# Altium PCB Switchboard V1.PcbDoc (part 2 of 2)
Units mil, origin at the board's own origin, x right, y up, seen from the top; angles counter-clockwise.
Board outline 3858.27 x 4800.09 mil, 2 copper layers (Top Layer, Bottom Layer), stack 62.8 mil thick; 100 components, 91 nets, 549 pads, 175 vias.
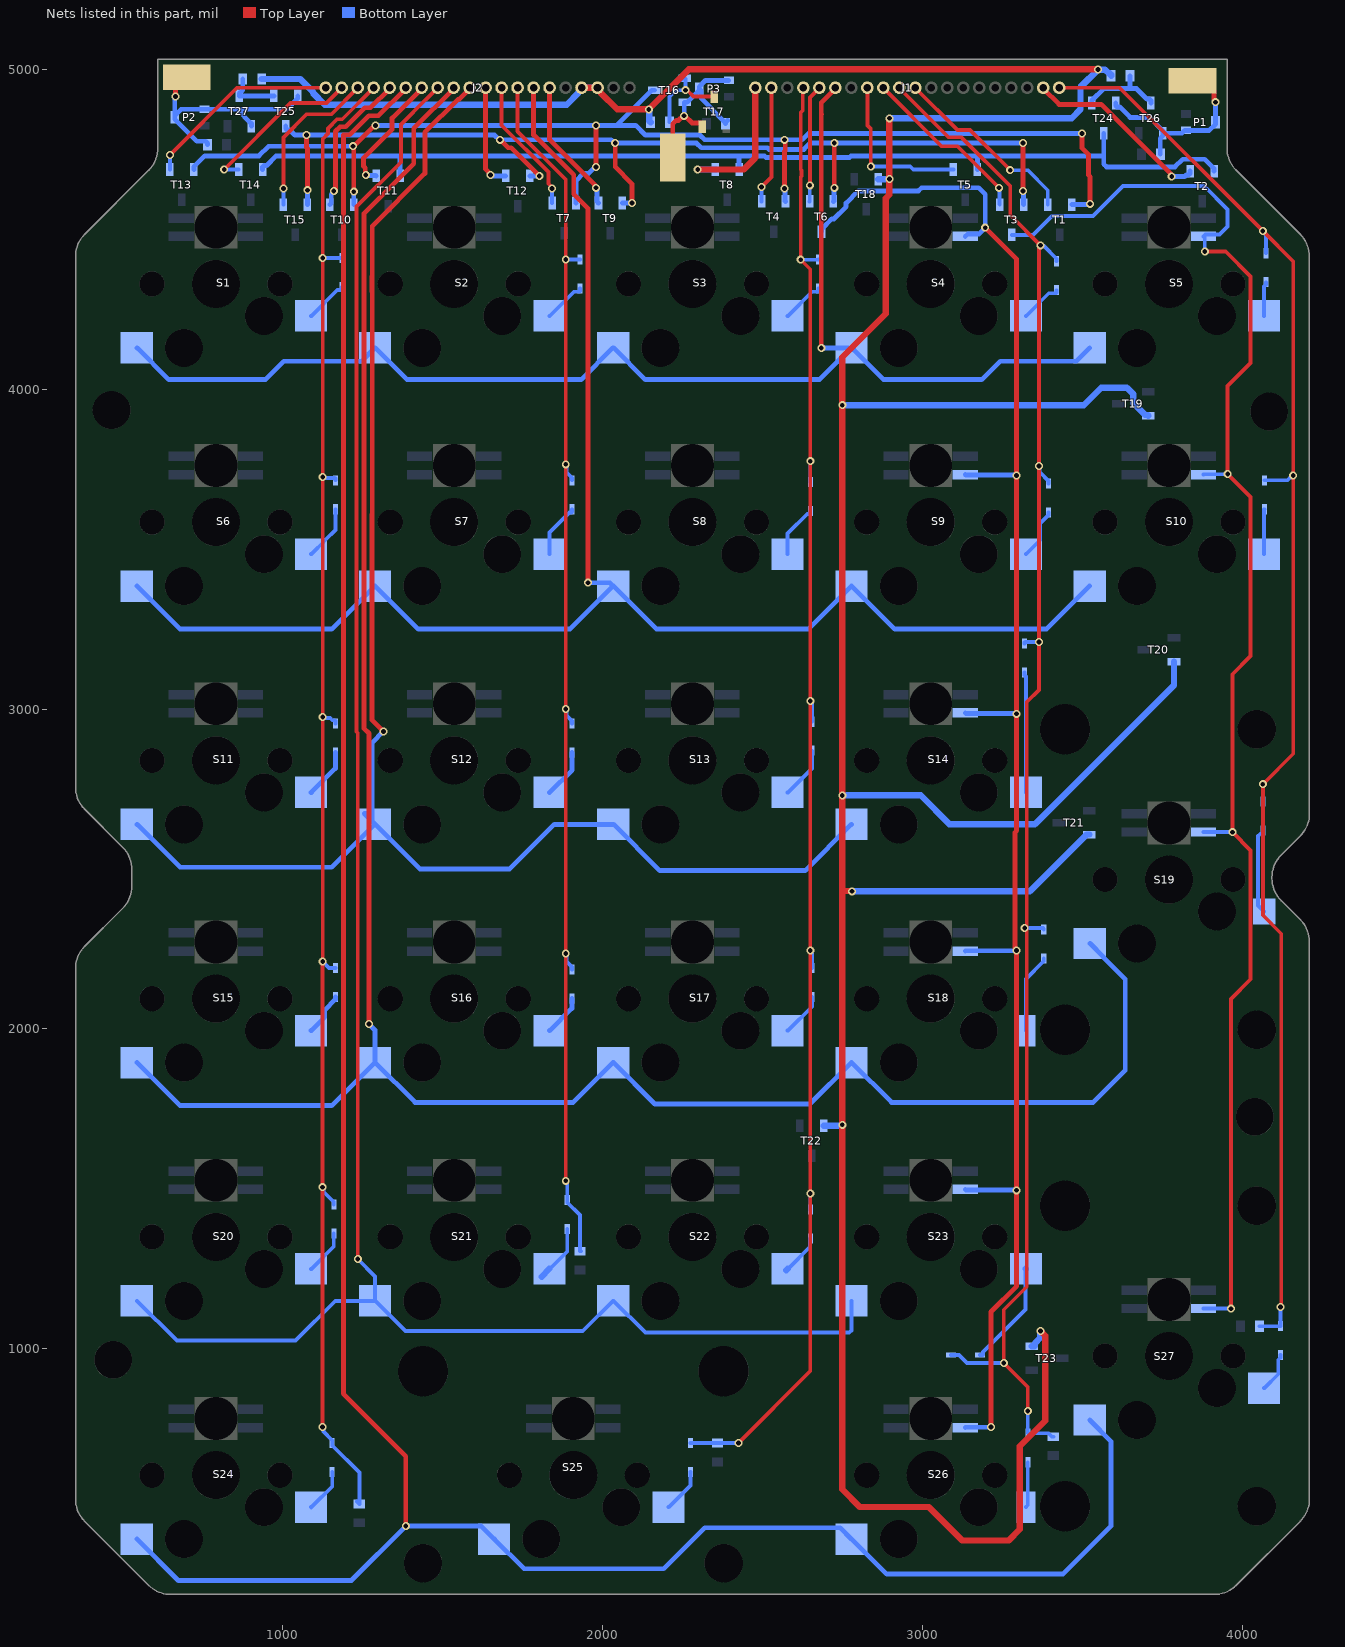
[diagram p2: the nets of this part, all layers, seen from the top]

## Via types
v1: diameter 25, hole 15, Top Layer to Bottom Layer, tented both sides, 170 vias
v2: diameter 50, hole 28, Top Layer to Bottom Layer, tented both sides, 5 vias

## Nets (pads, with @x,y where several pads share a name; then routed paths per layer and width w, separated by ;. In a path a pad name is that pad's centre, name@x,y a point inside that pad or via, vN(x,y) a via of type N, cw(c..) or ccw(c..) an arc to the next point about the centre after c; other vN are vias at no path point) (continued)
"LED Red Ca3": S4.R S9.R S14.R S18.R S23.R S26.R T6.3 | length 5320.4
  Top Layer w15: v1(3196.87,4505) 3295,4406.87 v1(3295,3730) 3295,2619.54 3290.46,2615 3290.46,2252.24 3295,2247.71 v1(3295,1495) 3295,1195 3215,1115 v1(3215,755)
  Bottom Layer w15: T6.3@2685,4492.76 2685,4500.63 2717,4532.63 2724.03,4532.63 2762.01,4570.61 2762.01,4582.01 2800,4620 2988.17,4620 2998.11,4629.94 3176.27,4629.94 3196.87,4609.34 v1(3196.87,4505) 3177.14,4485.27 3142,4485.27 S4.R@3134.74,4478 ; S26.R@3134.74,753 3135.73,754 3214,754 v1(3215,755) ; S23.R@3134.74,1498 3136.24,1496.5 3293.5,1496.5 v1(3295,1495) ; S18.R@3134.74,2243 3135.73,2244 3294,2244 v1(3295,2245) ; S14.R@3134.74,2988 3136.24,2986.5 3293.5,2986.5 v1(3295,2985) ; S9.R@3134.74,3733 3136.24,3731.5 3293.5,3731.5 v1(3295,3730)
"LED Red Ca4": S5.R S10.R S19.R S27.R T3.3 | length 4744.7
  Top Layer w12: v1(3883.5,4430.26) 3948.89,4430.26 4026.84,4352.32 4026.84,4082.08 3955,4010.24 v1(3955,3735) 4026.84,3663.16 4026.84,3165.74 3970,3108.9 v1(3970,2615) 4026.84,2558.16 4026.84,2155.22 3964.94,2093.33 3964.94,1125.06 v1(3965,1125)
  Bottom Layer w12: T3.3@3280,4482.76 3346.78,4482.76 3405.59,4541.56 3534.34,4541.56 3627.79,4635 3881.88,4635 3954.34,4562.54 3954.34,4509.34 3929.16,4484.16 3885.9,4484.16 S5.R@3879.74,4478 3883.5,4474.24 v1(3883.5,4430.26) ; S27.R@3879.74,1125.5 3879.99,1125.25 3964.75,1125.25 v1(3965,1125) ; S19.R@3879.74,2615.5 3879.99,2615.25 3969.75,2615.25 v1(3970,2615) ; S10.R@3879.74,3733 3880.73,3734 3954,3734 v1(3955,3735)
LS0: J2.20 T13.1 | length 619.4
  Top Layer w12: v1(647.6,4732.6) 857.8,4942.8 J2.20@1134.62,4942.8
  Bottom Layer w12: T13.1@647.6,4687.24 v1(647.6,4732.6)
LS1: J2.16 T10.1 | length 463.7
  Top Layer w15: v1(1160,4620) 1160,4622.71 1165,4627.71 1165,4805.94 1179.64,4820.59 1197.32,4820.59 1256.73,4880 1274.41,4880 1334.62,4940.21 J2.16@1334.62,4942.8
  Bottom Layer w15: T10.1@1147.6,4577.24 1151.91,4581.56 1151.91,4609.2 1160,4617.29 v1(1160,4620)
LS2: J2.9 T7.1 | length 426
  Top Layer w12: J2.9@1684.62,4942.8 1684.62,4825.38 1831.1,4678.9 1831.1,4642.41 1842.6,4630.92 v1(1842.6,4627.4)
  Bottom Layer w12: T7.1@1842.6,4582.24 v1(1842.6,4627.4)
LS3: J1.19 T4.1 | length 368.3
  Top Layer w12: v1(2497.6,4632.4) 2528.32,4663.12 J1.19@2528.32,4942.8
  Bottom Layer w12: T4.1@2497.6,4587.24 v1(2497.6,4632.4)
LS4: J1.10 T1.1 | length 592.4
  Top Layer w12: J1.10@2978.32,4942.8 2978.32,4942.33 3110.09,4810.55 3149.45,4810.55 v1(3275,4685)
  Bottom Layer w12: v1(3275,4685) 3330,4685 3392.6,4622.4 T1.1@3392.6,4577.24
LS5: J2.19 T14.1 | length 518.9
  Top Layer w12: v1(817.24,4687.24) 1025,4895 1137.29,4895 1184.62,4942.33 J2.19@1184.62,4942.8
  Bottom Layer w12: v1(817.24,4687.24) T14.1@862.6,4687.24
LS6: J2.14 T11.1 | length 384.9
  Top Layer w15: v1(1260,4670) 1258.09,4671.91 1258.09,4692.17 1252.76,4697.5 1252.76,4722.76 1342.31,4812.31 1342.31,4847.9 1434.62,4940.21 J2.14@1434.62,4942.8
  Bottom Layer w15: v1(1260,4670) 1261.38,4668.62 1291.22,4668.62 T11.1@1292.6,4667.24
LS7: J1.20 T8.1 | length 469.8
  Top Layer w20: v1(2297.76,4687.24) 2442.24,4687.24 2478.32,4723.32 J1.20@2478.32,4942.8
  Bottom Layer w20: v1(2297.76,4687.24) T8.1@2352.6,4687.24
LS8: J1.13 T5.1 | length 513.1
  Top Layer w12: J1.13@2828.32,4942.8 2828.32,4824.32 2839.21,4813.42 v1(2839.21,4696.34)
  Bottom Layer w12: v1(2839.21,4696.34) 2962.71,4696.34 2971.81,4687.24 T5.1@3097.6,4687.24
LS9: J1.2 T2.1 | length 590.5
  Top Layer w15: J1.2@3378.32,4942.8 3378.32,4940.21 3428.04,4890.48 3559.52,4890.48 3780,4670 v1(3780,4665)
  Bottom Layer w15: v1(3780,4665) 3820.35,4665 3825.41,4670.06 3833.29,4670.06 3837.6,4674.37 T2.1@3837.6,4682.24
LS10: J2.18 T15.1 | length 506.9
  Top Layer w12: v1(1002.6,4627.4) 1002.6,4787.6 1075,4860 1152.29,4860 1234.62,4942.33 J2.18@1234.62,4942.8
  Bottom Layer w12: T15.1@1002.6,4577.24 v1(1002.6,4627.4)
LS11: J2.10 T12.1 | length 327.9
  Top Layer w15: J2.10@1634.62,4942.8 1634.62,4688.09 1650,4672.71 v1(1650,4670)
  Bottom Layer w15: v1(1650,4670) 1652.76,4667.24 T12.1@1697.6,4667.24
LS12: J2.6 T9.1 | length 423.9
  Top Layer w15: J2.6@1834.62,4942.8 1834.62,4780.74 1975,4640.36 1975,4637.71 1980,4632.71 v1(1980,4630)
  Bottom Layer w15: v1(1980,4630) 1980,4627.29 1983.29,4624.01 1983.29,4586.56 T9.1@1987.6,4582.24
LS13: J1.16 T6.1 | length 369.2
  Top Layer w12: v1(2648.5,4637.6) 2648.5,4912.51 2678.32,4942.33 J1.16@2678.32,4942.8
  Bottom Layer w12: T6.1@2647.6,4587.24 2648.05,4587.69 2648.05,4637.15 v1(2648.5,4637.6) v1@2648.5,4638.5
LS14: J1.12 T3.1 | length 545.4
  Top Layer w12: J1.12@2878.32,4942.8 2878.32,4942.33 3060.65,4760 3110,4760 v1(3240,4630)
  Bottom Layer w12: v1(3240,4630) 3241.3,4628.7 3241.3,4578.54 T3.1@3242.6,4577.24
NetD1_1: D1.1 S1.SW2 | length 137.9
  Bottom Layer w12: S1.SW2@1089.11,4229.38 1090.09,4229.38 1170.68,4309.98 1183.13,4309.98 1185,4311.85 D1.1@1185,4319.72
NetD2_1: D2.1 S2.SW2 | length 135.9
  Bottom Layer w12: S2.SW2@1834.11,4229.38 1835.09,4229.38 1910.68,4304.98 1928.13,4304.98 1930,4306.85 D2.1@1930,4314.72
NetD3_1: D3.1 S3.SW2 | length 135.9
  Bottom Layer w12: S3.SW2@2579.11,4229.38 2580.09,4229.38 2655.68,4304.98 2673.13,4304.98 2675,4306.85 D3.1@2675,4314.72
NetD4_1: D4.1 S4.SW2 | length 133.8
  Bottom Layer w12: S4.SW2@3324.11,4229.38 3325.09,4229.38 3395.68,4299.98 3418.13,4299.98 3420,4301.85 D4.1@3420,4309.72
NetD5_1: D5.1 S5.SW2 | length 107.8
  Bottom Layer w12: S5.SW2@4069.11,4229.38 4069.11,4320.96 4075,4326.85 D5.1@4075,4334.72
NetD6_1: D6.1 S6.SW2 | length 172.4
  Bottom Layer w12: S6.SW2@1089.11,3484.38 1090.09,3484.38 1133.3,3527.59 1133.3,3528.58 1165,3560.28 D6.1@1165,3624.72
NetD7_1: D7.1 S7.SW2 | length 173
  Bottom Layer w12: S7.SW2@1834.11,3484.38 1834.11,3551.59 1897.49,3614.98 1903.13,3614.98 1905,3616.85 D7.1@1905,3624.72
NetD8_1: D8.1 S8.SW2 | length 169.3
  Bottom Layer w12: S8.SW2@2579.11,3484.38 2579.11,3548.83 2640.25,3609.98 2648.13,3609.98 2650,3611.85 D8.1@2650,3619.72
NetD9_1: D9.1 S9.SW2 | length 160.3
  Bottom Layer w12: S9.SW2@3324.11,3484.38 3325.09,3484.38 3368.3,3527.59 3368.3,3580.15 3395,3606.85 D9.1@3395,3614.72
NetD10_1: D10.1 S10.SW2 | length 140.7
  Bottom Layer w12: S10.SW2@4069.11,3484.38 4069.11,3623.83 D10.1@4070,3624.72
NetD11_1: D11.1 S11.SW2 | length 157.4
  Bottom Layer w15: S11.SW2@1089.11,2739.38 1090.09,2739.38 1165,2814.29 D11.1@1165,2864.72
NetD12_1: D12.1 S12.SW2 | length 155.3
  Bottom Layer w15: S12.SW2@1834.11,2739.38 1835.09,2739.38 1905,2809.29 D12.1@1905,2864.72
NetD13_1: D13.1 S13.SW2 | length 162.4
  Bottom Layer w12: S13.SW2@2579.11,2739.38 2580.09,2739.38 2655,2814.29 D13.1@2655,2869.72
NetD14_1: D14.1 S14.SW2 | length 377
  Bottom Layer w12: D14.1@3320,3114.72 3320,3106.85 3324.11,3102.74 S14.SW2@3324.11,2739.38
NetD15_1: D15.1 S15.SW2 | length 137.4
  Bottom Layer w15: S15.SW2@1089.11,1994.38 1090.09,1994.38 1131.8,2036.09 1131.8,2058.65 1165,2091.85 D15.1@1165,2099.72
NetD16_1: D16.1 S16.SW2 | length 130.3
  Bottom Layer w15: S16.SW2@1834.11,1994.38 1835.09,1994.38 1904.63,2063.92 1904.63,2094.35 D16.1@1905,2094.72
NetD17_1: D17.1 S17.SW2 | length 137.4
  Bottom Layer w12: S17.SW2@2579.11,1994.38 2580.09,1994.38 2655,2069.29 D17.1@2655,2099.72
NetD18_1: D18.1 S18.SW2 | length 248.5
  Bottom Layer w12: S18.SW2@3324.11,1994.38 3324.11,2155.96 3380,2211.85 D18.1@3380,2219.72
NetD19_1: D19.1 S19.SW2 | length 270.5
  Bottom Layer w12: D19.1@4065,2619.72 4065,2611.85 4063.13,2609.98 4057.03,2609.98 4050,2602.95 4050,2385.99 S19.SW2@4069.11,2366.88
NetD20_1: D20.1 S20.SW2 | length 141.3
  Bottom Layer w12: S20.SW2@1088.12,1249.38 S20.SW2@1089.11,1249.38 1090.09,1249.38 1160,1319.29 D20.1@1160,1359.72
NetD21_1: D21.1 S21.SW2 | length 183.6
  Bottom Layer w12: S21.SW2@1834.11,1249.38 1835.09,1249.38 1890,1304.29 D21.1@1890,1374.72
  Bottom Layer w20: S21.SW2@1809.72,1225 S21.SW2@1834.11,1249.38
NetD22_1: D22.1 S22.SW2 | length 131.5
  Bottom Layer w12: S22.SW2@2579.11,1249.38 2580.09,1249.38 2648.13,1317.42 2648.13,1342.85 D22.1@2650,1344.72
  Bottom Layer w20: S22.SW2@2574.72,1245 S22.SW2@2579.11,1249.38
NetD23_1: D23.1 S23.SW2 | length 334.1
  Bottom Layer w12: D23.1@3180.28,980 3188.15,980 3190.02,981.87 3190.02,989.75 3323.12,1122.85 S23.SW2@3323.12,1249.38
  Bottom Layer w20: S23.SW2@3323.12,1249.38 S23.SW2@3324.11,1249.38
NetD24_1: D24.1 S24.SW2 | length 139.1
  Bottom Layer w12: S24.SW2@1089.72,503.76 S24.SW2@1089.11,504.38 1090.09,504.38 1155,569.29 D24.1@1155,614.72
NetD25_1: D25.1 S25.SW2 | length 139.2
  Bottom Layer w12: S25.SW2@2206.61,504.38 2207.59,504.38 2275,571.79 D25.1@2275,614.72
NetD26_1: D26.1 S26.SW2 | length 142.8
  Bottom Layer w12: S26.SW2@3324.11,504.38 3330,510.28 D26.1@3330,644.72
NetD27_1: D27.1 S27.SW2 | length 124.5
  Bottom Layer w12: S27.SW2@4069.11,876.88 4070.09,876.88 4113.3,920.09 4113.3,965.15 4120,971.85 D27.1@4120,979.72
NetP1_2: P1.2 P1.3 R5.2 T24.2 T26.1 TP1.1 | length 627.7
  Top Layer w15: TP1.1@3845,4965 3879.84,4965 3912.3,4932.54 3912.3,4905.4 3917.4,4900.3 v1(3917.4,4897.6)
  Bottom Layer w15: T24.2@3605,4895 3605,4887.13 3609.31,4882.81 3617.19,4882.81 3650,4850 3710.79,4850 3752.4,4808.39 T26.1@3752.4,4800.51 ; R5.2@3744.53,4735 3744.53,4784.76 3752.4,4792.64 T26.1@3752.4,4800.51 ; v1(3917.4,4897.6) P1.2@3917.4,4835 3917.4,4829.09 3897.72,4809.41 P1.3@3824.88,4809.41 3820.94,4809.41 3812.05,4800.51 T26.1@3752.4,4800.51
NetP2_2: P2.2 P2.3 R6.2 T25.2 T27.1 TP2.1 | length 772.1
  Top Layer w15: v1(665,4915) 665,4942.54 697.46,4975 TP2.1@700,4975
  Bottom Layer w15: v1(665,4915) 665,4912.29 662.6,4909.89 P2.2@662.6,4855.91 ; R6.2@765.47,4765 765.47,4768.94 759.19,4775.22 731.48,4775.22 662.6,4844.09 P2.2@662.6,4850 P2.2@662.6,4855.91 ; T27.1@902.4,4822.76 902.4,4830.63 857.44,4875.59 ; T25.2@1047.4,4917.24 1047.4,4909.37 1013.62,4875.59 857.44,4875.59 ; P2.2@662.6,4855.91 682.28,4875.59 P2.3@755.12,4875.59 857.44,4875.59
NetP3_2: P3.2 P3.3 R14.2 T16.2 T17.1 TP6.1 | length 583.4
  Top Layer w15: TP6.1@2220,4725 2220,4829.9 2230.61,4840.5 2237.8,4840.5 2252.29,4855 v1(2255,4855) 2257.71,4855 2280.01,4832.7 2308.29,4832.7 2312.6,4828.39 T17.1@2312.6,4820.51
  Bottom Layer w15: v1(2255,4855) 2256.12,4856.12 2256.12,4896.48 T16.2@2257.24,4897.6 2265.12,4897.6 P3.2@2297.52,4930 ; R14.2@2384.53,4830 R14.2@2384.53,4833.94 ; R14.2@2390.81,4840.22 R14.2@2384.53,4833.94 ; P3.3@2395.12,4965.59 2322.28,4965.59 2302.6,4945.91 P3.2@2302.6,4940 2308.88,4933.72 2308.88,4909.59 R14.2@2384.53,4833.94
NetR1_1: R1.1 T24.1 T26.3 | length 273.6
  Bottom Layer w15: T24.1@3530.2,4895 3530.2,4902.87 3567.32,4940 3655,4940 ; R1.1@3649.53,4980 3649.53,4945.47 3655,4940 ; T26.3@3715,4895 3715,4902.87 3710.69,4907.19 3702.81,4907.19 3670,4940 3655,4940
NetR2_1: R2.1 T25.1 T27.3 | length 164.7
  Bottom Layer w15: R2.1@875.47,4970 875.47,4935.59 865,4925.12 T27.3@865,4917.24 T25.1@972.6,4917.24
NetR12_1: R12.1 T16.1 T17.3 | length 289.1
  Top Layer w12: v1(2260,4935) 2265,4935 2285,4915 T17.3@2350,4915
  Bottom Layer w12: R12.1@2209.53,4835 2209.53,4914.53 2230,4935 v1(2260,4935) 2260,4969.65 T16.1@2257.24,4972.4 2251.66,4972.4 T16.1@2245.85,4966.59
NetT1_2: T1.2 T4.2 T7.2 T10.2 T13.2 T16.3 | length 3977.8
  Top Layer w15: v1(1220,4760) 1222.5,4760 1287.5,4825 v1(1290,4825) ; v1(1222.4,4617.6) v1@1222.4,4760 ; v1(1980,4695) v1(1980,4825) ; v1(2569.5,4627.4) 2569.5,4742.97 2571.91,4745.38 2571.41,4745.88 2571.41,4778.09 v1(2569.5,4780) ; v1(3500,4800) 3500,4753.88 3520,4733.88 3520,4669.64 3525,4664.64 v1(3525,4580)
  Bottom Layer w15: T13.2@722.4,4687.24 722.4,4695.12 757.07,4729.78 925.93,4729.78 956.14,4760 v1(1220,4760) ; T10.2@1222.4,4577.24 v1(1222.4,4617.6) ; v1(1290,4825) 2044.88,4825 ; T7.2@1917.4,4582.24 1917.4,4652.4 1939.95,4674.95 1957.24,4674.95 1977.29,4695 v1(1980,4695) ; T16.3@2162.76,4935 2154.88,4935 2044.88,4825 ; v1(2569.5,4627.4) 2570.95,4625.95 2570.95,4588.69 T4.2@2572.4,4587.24 ; T1.2@3467.4,4577.24 3519.54,4577.24 3522.29,4580 v1(3525,4580) ; v1(3500,4800) 2644.58,4800 2624.58,4780 2319.23,4780 2304.23,4795 2134.23,4795 2104.23,4825 2044.88,4825
NetT2_2: T2.2 T5.2 T8.2 T11.2 T14.2 T24.3 | length 3278.8
  Bottom Layer w15: T14.2@937.4,4687.24 937.4,4695.12 941.71,4699.43 949.59,4699.43 979.11,4728.96 1365,4728.96 ; T11.2@1367.4,4667.24 1367.4,4726.56 1365,4728.96 ; T8.2@2427.4,4687.24 2427.4,4726.56 2425,4728.96 ; T5.2@3172.4,4687.24 3172.4,4726.56 3170,4728.96 ; T24.3@3567.6,4800.51 3567.6,4728.96 ; T2.2@3912.4,4682.24 3912.4,4690.12 3883.09,4719.43 3814.43,4719.43 3790,4695 3576.39,4695 3567.6,4703.79 3567.6,4728.96 ; 1365,4728.96 2425,4728.96 ; 2425,4728.96 2506.91,4728.96 2510.87,4725 2772.77,4725 2776.73,4728.96 3170,4728.96 ; 3170,4728.96 3567.6,4728.96
NetT3_2: T3.2 T6.2 T9.2 T12.2 T15.2 T25.3 | length 3383.4
  Top Layer w15: v1(1075,4795) 1075,4754.9 1077.4,4752.5 v1(1077.4,4622.4) ; v1(1680,4780) 1705.05,4754.95 1715.05,4754.95 1802.6,4667.4 v1(1802.6,4667.09) ; v1(2040,4770) 2040,4695 2092.24,4642.76 v1(2092.24,4582.24) ; v1(2725,4630) v1(2725,4770) ; v1(3315,4620) v1(3315,4770)
  Bottom Layer w15: T25.3@1010,4822.76 1010,4814.88 1014.31,4810.57 1022.19,4810.57 1037.76,4795 1662.29,4795 1677.29,4780 2027.29,4780 2037.29,4770 2293.87,4770 2308.87,4755 2516.22,4755 2521.22,4750 2629.93,4750 2649.93,4770 v1(3315,4770) ; T15.2@1077.4,4577.24 v1(1077.4,4622.4) ; T12.2@1772.4,4667.24 1772.48,4667.17 1802.53,4667.17 v1(1802.6,4667.09) ; T9.2@2062.4,4582.24 v1(2092.24,4582.24) ; T6.2@2722.4,4587.24 2723.7,4588.54 2723.7,4628.7 v1(2725,4630) ; v1(3315,4620) 3316.2,4618.8 3316.2,4578.44 T3.2@3317.4,4577.24
SWH0: J1.15 S1.SW1 S2.SW1 S3.SW1 S4.SW1 S5.SW1 | length 4238
  Top Layer w15: v1@2682.47,4131.3 v1(2684.38,4129.38) 2684.38,4859.38 ; 2685,4860 2684.38,4859.38 ; J1.15@2728.32,4942.8 2728.32,4940.21 2684.38,4896.27 2684.38,4859.38
  Bottom Layer w15: S1.SW1@543.83,4129.38 544.82,4129.38 644.2,4030 946.33,4030 1004,4087.67 1247.12,4087.67 S2.SW1@1288.83,4129.38 1289.82,4129.38 1389.2,4030 1933.46,4030 2032.85,4129.38 S3.SW1@2033.83,4129.38 2034.82,4129.38 2134.2,4030 2678.46,4030 S4.SW1@2777.85,4129.38 ; v1(2684.38,4129.38) S4.SW1@2777.85,4129.38 ; S5.SW1@3523.83,4129.38 3482.12,4087.67 3244,4087.67 3186.33,4030 2879.2,4030 2779.82,4129.38 S4.SW1@2778.83,4129.38 S4.SW1@2777.85,4129.38
SWH1: J2.7 S6.SW1 S7.SW1 S8.SW1 S9.SW1 S10.SW1 | length 5126.9
  Top Layer w15: J2.7@1784.62,4942.8 1784.62,4795.38 1910,4670 1910,4610 1955,4565 v1(1955,3395)
  Bottom Layer w15: S6.SW1@543.83,3384.38 544.82,3384.38 679.2,3250 1153.46,3250 1287.85,3384.38 S7.SW1@1288.83,3384.38 1289.82,3384.38 1424.2,3250 1898.46,3250 2032.85,3384.38 S8.SW1@2033.83,3384.38 ; v1(1955,3395) 2023.21,3395 S8.SW1@2033.83,3384.38 ; S10.SW1@3523.83,3384.38 3522.85,3384.38 3388.46,3250 2914.2,3250 2779.82,3384.38 S9.SW1@2778.83,3384.38 2777.85,3384.38 2643.46,3250 2169.2,3250 2034.82,3384.38 S8.SW1@2033.83,3384.38
SWH2: J2.11 S11.SW1 S12.SW1 S13.SW1 S14.SW1 | length 5108.8
  Top Layer w15: v1(1315,2930) 1279.6,2965.4 1279.6,3607.94 1280,3608.34 1280,4305.42 1279.6,4305.83 1279.6,4352.94 1280,4353.34 1280,4510 1445,4675 1445,4803.18 1547.43,4905.61 1550.02,4905.61 1584.62,4940.21 J2.11@1584.62,4942.8
  Bottom Layer w15: S11.SW1@543.83,2639.38 544.82,2639.38 679.2,2505 1153.46,2505 1287.85,2639.38 S12.SW1@1288.83,2639.38 ; v1(1315,2930) 1279.6,2894.6 S12.SW1@1279.6,2681.09 ; S14.SW1@2778.83,2639.38 2777.85,2639.38 2633.46,2495 2179.2,2495 2034.82,2639.38 S13.SW1@2033.83,2639.38 1849.38,2639.38 1710,2500 1429.2,2500 1289.82,2639.38 S12.SW1@1288.83,2639.38 ; S12.SW1@1279.6,2648.61 S12.SW1@1288.83,2639.38 ; S12.SW1@1279.6,2648.61 1255,2673.21 1271.72,2673.21 S12.SW1@1279.6,2681.09 ; S12.SW1@1279.6,2648.61 S12.SW1@1279.6,2681.09
SWH3: J2.12 S15.SW1 S16.SW1 S17.SW1 S18.SW1 S19.SW1 | length 7127.7
  Top Layer w15: v1(1270,2015) 1270,2923.59 1254.6,2938.99 1254.6,4549.95 1410,4705.36 1410,4815.59 1534.62,4940.21 J2.12@1534.62,4942.8
  Bottom Layer w15: S15.SW1@543.83,1894.38 544.82,1894.38 679.2,1760 1153.46,1760 1287.85,1894.38 S16.SW1@1288.83,1894.38 ; v1(1270,2015) 1288.83,1996.17 S16.SW1@1288.83,1894.38 ; S19.SW1@3523.83,2266.88 3524.82,2266.88 3566.53,2225.17 3566.53,2224.18 3635,2155.71 3635,1870 3535,1770 2904.2,1770 2779.82,1894.38 S18.SW1@2778.83,1894.38 2777.85,1894.38 2648.46,1765 2164.2,1765 2034.82,1894.38 S17.SW1@2033.83,1894.38 2032.85,1894.38 1908.46,1770 1414.2,1770 1289.82,1894.38 S16.SW1@1288.83,1894.38
SWH4: J2.13 S20.SW1 S21.SW1 S22.SW1 S23.SW1 | length 6475.3
  Top Layer w12: v1(1235,1280) 1235,2925.36 1231.1,2929.26 1231.1,4571.1 1370,4710 1370,4828.18 1448.93,4907.11 1449.4,4907.11 1484.62,4942.33 J2.13@1484.62,4942.8
  Bottom Layer w12: S20.SW1@543.83,1149.38 544.82,1149.38 669.2,1025 1040,1025 1164.38,1149.38 S21.SW1@1288.83,1149.38 ; v1(1235,1280) 1288.83,1226.17 S21.SW1@1288.83,1149.38 ; S23.SW1@2778.83,1149.38 2778.83,1057.03 2771.8,1050 2134.2,1050 2034.82,1149.38 S22.SW1@2033.83,1149.38 2032.85,1149.38 1938.46,1055 1384.2,1055 1289.82,1149.38 S21.SW1@1288.83,1149.38
SWH5: J2.15 S24.SW1 S25.SW1 S26.SW1 S27.SW1 | length 8448.5
  Top Layer w15: J2.15@1384.62,4942.8 1384.62,4940.21 1299.41,4855 1269.41,4855 1210,4795.59 1190,4795.59 1190,858.85 1385,663.85 v1(1385,445)
  Bottom Layer w15: S24.SW1@543.83,404.38 544.82,404.38 674.2,275 1215,275 v1(1385,445) 1620.71,445 S25.SW1@1661.33,404.38 1662.32,404.38 1755,311.7 2191.7,311.7 2320,440 2743.21,440 S26.SW1@2778.83,404.38 2779.82,404.38 2889.2,295 3440,295 3590,445 3590,710.71 S27.SW1@3523.83,776.88
SWL0: D1.2 D6.2 D11.2 D15.2 D20.2 D24.2 J2.17 R7.1 | length 4839.2
  Top Layer w12: v1(1125,755) v1(1125,1505) 1125,2210 v1(1125.28,2210.28) v1(1125.28,2974.72) v1(1125.28,3725.28) v1(1125.28,4410.28) 1125.28,4782.99 1141.5,4799.21 1141.5,4815.68 1169.91,4844.09 1186.38,4844.09 1284.62,4942.33 J2.17@1284.62,4942.8
  Bottom Layer w12: v1(1125,755) 1127.49,752.51 1127.49,740.66 1155,713.15 D24.2@1155,705.28 1155,697.4 1240,612.4 R7.1@1240,514.53 R7.1@1232.22,522.31 ; v1(1125,1505) 1127.49,1502.51 1127.49,1490.66 1160,1458.15 D20.2@1160,1450.28 ; v1(1125.28,2210.28) 1145.28,2190.28 D15.2@1165,2190.28 ; v1(1125.28,2974.72) 1127.76,2972.24 1148.04,2972.24 1155.25,2965.02 1163.13,2965.02 1165,2963.15 D11.2@1165,2955.28 ; v1(1125.28,3725.28) 1127.76,3722.79 1163.13,3722.79 1165,3720.91 D6.2@1165,3715.28 ; v1(1125.28,4410.28) D1.2@1185,4410.28
SWL1: D2.2 D7.2 D12.2 D16.2 D21.2 J2.8 R8.1 | length 3943.6
  Top Layer w12: J2.8@1734.62,4942.33 1734.62,4806.49 1885.28,4655.84 v1(1885.28,4405.28) v1(1885.28,3765.28) v1(1885.28,3000.28) v1(1885.28,2235.28) v1(1885.28,1525) v1@1890,1520.28
  Bottom Layer w12: v1(1885.28,1525) 1885.28,1521.48 1890,1516.76 D21.2@1890,1465.28 1890,1457.4 1930,1417.4 R8.1@1930,1304.53 R8.1@1933.94,1304.53 ; v1(1885.28,2235.28) 1887.76,2232.79 1887.76,2210.39 1905,2193.15 D16.2@1905,2185.28 ; v1(1885.28,3000.28) 1887.76,2997.79 1887.76,2980.39 1905,2963.15 D12.2@1905,2955.28 ; v1(1885.28,3765.28) 1887.76,3762.79 1887.76,3740.39 1905,3723.15 D7.2@1905,3715.28 ; v1(1885.28,4405.28) D2.2@1930,4405.28
SWL2: D3.2 D8.2 D13.2 D17.2 D22.2 D25.2 J1.17 R9.1 | length 4792.2
  Top Layer w12: v1(2425,705) 2650,930 v1(2650,1485) v1(2650,2245) v1(2650,3025) v1(2650,3775) 2650,4375 v1(2620,4405) 2620,4663.89 2622,4665.89 2622,4684.11 2620,4686.11 2620,4865 2626.5,4871.5 2626.5,4940.98 J1.17@2628.32,4942.8
  Bottom Layer w12: D25.2@2275,705.28 2275.37,704.9 2359.63,704.9 R9.1@2360,704.53 2360.24,704.76 2424.76,704.76 v1(2425,705) ; v1(2620,4405) 2620.14,4405.14 2674.86,4405.14 D3.2@2675,4405.28 ; D22.2@2650,1435.28 v1(2650,1485) ; v1(2650,2245) 2650,2241.48 2655,2236.48 D17.2@2655,2190.28 ; v1(2650,3025) 2650,3021.48 2655,3016.48 D13.2@2655,2960.28 ; D8.2@2650,3710.28 v1(2650,3775)
SWL3: D4.2 D9.2 D14.2 D18.2 D23.2 D26.2 J1.11 R10.1 | length 5013.1
  Top Layer w12: J1.11@2928.32,4942.8 2928.32,4942.33 3082.93,4787.71 3122.59,4787.71 3275,4635.31 3275,4545 v1(3370,4450) 3365,4445 v1(3365,3760) v1(3365,3210) 3365,3060 3326.96,3021.96 v1@3326.96,2315 ; v1(3320.46,2315) v1@3326.96,2315 ; v1(3330,805) 3330,880 v1(3255,955) 3255,1121.77 3326.96,1193.73 v1@3326.96,2315
  Bottom Layer w12: D23.2@3089.72,980 3115,980 3140,955 v1(3255,955) ; D14.2@3320,3205.28 3320,3208.13 3321.87,3210 v1(3365,3210) ; v1(3320.46,2315) 3378.13,2315 3380,2313.13 D18.2@3380,2310.28 ; v1(3330,805) D26.2@3330,735.28 3395.31,735.28 3406.06,724.53 R10.1@3410,724.53 ; v1(3365,3760) 3367.49,3757.51 3367.49,3740.66 3395,3713.15 D9.2@3395,3705.28 ; v1(3370,4450) 3372.49,4447.51 3380.64,4447.51 3420,4408.15 D4.2@3420,4400.28
SWL4: D5.2 D10.2 D19.2 D27.2 J1.1 R11.1 | length 4640.7
  Top Layer w12: J1.1@3428.32,4942.8 3617.2,4942.8 v1(4065,4495) 4160.06,4399.94 4160.06,3730.06 v1(4160,3730) 4160,2860 v1(4065,2765) 4065,2355 4122.47,2297.53 4122.47,1132.47 v1(4120,1130)
  Bottom Layer w12: R11.1@4054.53,1070 4054.67,1070.14 4119.86,1070.14 D27.2@4120,1070.28 v1(4120,1130) ; D19.2@4065,2710.28 v1(4065,2765) ; v1(4065,4495) 4065,4491.48 4075,4481.48 D5.2@4075,4425.28 ; D10.2@4070,3715.28 4141.76,3715.28 4156.48,3730 v1(4160,3730)
VBatt: J2.3 J2.4 R1.2 R2.2 R12.2 T18.2 T19.2 T20.2 T21.2 T22.2 T23.2 | length 12668.5
  Top Layer w20: J2.4@1934.62,4942.8 J2.3@1984.62,4942.8 1984.62,4937.55 1994.93,4927.24 1994.93,4926.36 2046.29,4875 v1(2145,4875) 2270,5000 v1(3550,5000) ; v1(2780,2430) 2779.04,2430.96 2754.04,2430.96 2750,2435 ; v1(2897.24,4847.24) v1(2897.24,4657.24) 2897.24,4608.21 2885.7,4596.66 2885.7,4450.8 2885.84,4450.66 2885.84,4235.91 2750,4100.07 v1(2750,3950) v1(2750,2730) 2750,2435 ; v1(3370,1055) 3385,1040 3385,775 3305,695 3305,435 3270,400 3125,400 3020,505 2805,505 2750,560 v1(2750,1700) 2750,2435
  Bottom Layer w20: R2.2@934.53,4970 1055,4970 1094.93,4930.07 1094.93,4926.36 1131.29,4890 1887.95,4890 1924.3,4926.36 1924.3,4927.24 1934.62,4937.55 J2.4@1934.62,4942.8 J2.3@1984.62,4942.8 ; v1(2145,4875) 2145,4873.65 2146.69,4871.95 2146.69,4838.78 R12.2@2150.47,4835 ; T22.2@2692.4,1697.24 2745.89,1697.24 2748.65,1700 v1(2750,1700) ; v1(2750,2730) 2995,2730 3085,2640 3352.42,2640 3787.24,3074.83 T20.2@3787.24,3147.6 ; v1(2750,3950) 3505,3950 3560,4005 3640,4005 3660,3985 3660,3956.97 3697.56,3919.41 3705.43,3919.41 T19.2@3707.24,3917.6 ; v1(2780,2430) 3336.77,2430 3514.37,2607.6 T21.2@3522.24,2607.6 ; T18.2@2862.4,4657.24 v1(2897.24,4657.24) ; v1(2897.24,4847.24) 3467.24,4847.24 3495,4875 3495,4945 v1(3550,5000) 3550.96,4999.04 3571.43,4999.04 3582.76,4987.72 3586.69,4987.72 3590.47,4983.94 R1.2@3590.47,4980 ; T23.2@3342.76,1007.4 3350.63,1007.4 3352.44,1009.21 3352.44,1017.09 3369.04,1033.69 3369.04,1054.04 v1(3370,1055)
pads on no net: J2.2 J2.5 S1. S2. S3. S4. S5. S6. S7. S8. S9. S10. S11. S12. S13. S14. S15. S16. S17. S18. S19. S20. S21. S22. S23. S24. S25. S26. S27.

## Polygon pours and split planes (outlines as drawn)
GND on Top Layer "GND_L01_P000" (solid, pour order 0): 352.33,529.57 352.33,2188.67 cw(c450.76,2188.67) 381.16,2258.27 499.54,2376.65 ccw(c429.95,2446.24) 528.37,2446.24 528.37,2498.43 ccw(c429.95,2498.43) 499.54,2568.02 381.16,2686.4 cw(c450.76,2756) 352.33,2756 352.33,4415.1 cw(c450.76,4415.1) 381.16,4484.7 581.02,4684.56 ccw(c511.43,4754.15) 609.85,4754.15 609.85,5031.38 3953.09,5031.38 3953.09,4754.15 ccw(c4051.51,4754.15) 3981.91,4684.56 4181.77,4484.7 cw(c4112.18,4415.1) 4210.6,4415.1 4210.6,2672.48 cw(c4112.18,2672.48) 4181.77,2602.89 4122.45,2543.56 ccw(c4192.05,2473.97) 4093.62,2473.97 4093.62,2470.7 ccw(c4192.05,2470.7) 4122.45,2401.11 4181.77,2341.78 cw(c4112.18,2272.18) 4210.6,2272.18 4210.6,529.57 cw(c4112.18,529.57) 4181.77,459.97 3981.91,260.11 cw(c3912.32,329.71) 3912.32,231.28 650.62,231.28 cw(c650.62,329.71) 581.02,260.11 381.16,459.97 cw(c450.76,529.57)
GND on Bottom Layer "GND_L02_P001" (solid, pour order 1): 352.33,529.57 352.33,2188.67 cw(c450.76,2188.67) 381.16,2258.27 499.54,2376.65 ccw(c429.95,2446.24) 528.37,2446.24 528.37,2498.43 ccw(c429.95,2498.43) 499.54,2568.02 381.16,2686.4 cw(c450.76,2756) 352.33,2756 352.33,4415.1 cw(c450.76,4415.1) 381.16,4484.7 581.02,4684.56 ccw(c511.43,4754.15) 609.85,4754.15 609.85,5031.38 3953.09,5031.38 3953.09,4754.15 ccw(c4051.51,4754.15) 3981.91,4684.56 4181.77,4484.7 cw(c4112.18,4415.1) 4210.6,4415.1 4210.6,2672.48 cw(c4112.18,2672.48) 4181.77,2602.89 4122.45,2543.56 ccw(c4192.05,2473.97) 4093.62,2473.97 4093.62,2470.7 ccw(c4192.05,2470.7) 4122.45,2401.11 4181.77,2341.78 cw(c4112.18,2272.18) 4210.6,2272.18 4210.6,529.57 cw(c4112.18,529.57) 4181.77,459.97 3981.91,260.11 cw(c3912.32,329.71) 3912.32,231.28 650.62,231.28 cw(c650.62,329.71) 581.02,260.11 381.16,459.97 cw(c450.76,529.57)

## Silkscreen, mask and mechanical layers (free items; w line width, h text height)
Top Overlay:
  drawing of 527 lines, arcs and shapes, not listed
  text "Switchboard V2" at 470,2814.38 h80 r90
Mechanical 1:
  circle w3.94: c791.47,604.38 r98.43
  circle w3.94: c3428.32,4942.8 r11.81
  circle w3.94: c3378.32,4942.8 r11.81
  circle w3.94: c3328.32,4942.8 r11.81
  circle w3.94: c3278.32,4942.8 r11.81
  circle w3.94: c3228.32,4942.8 r11.81
  circle w3.94: c3178.32,4942.8 r11.81
  circle w3.94: c3128.32,4942.8 r11.81
  circle w3.94: c1884.62,4942.8 r11.81
  circle w3.94: c1834.62,4942.8 r11.81
  circle w3.94: c1784.62,4942.8 r11.81
  circle w3.94: c1734.62,4942.8 r11.81
  circle w3.94: c1684.62,4942.8 r11.81
  circle w3.94: c1634.62,4942.8 r11.81
  circle w3.94: c1584.62,4942.8 r11.81
  circle w3.94: c1534.62,4942.8 r11.81
  circle w3.94: c1284.62,4942.8 r11.81
  circle w3.94: c1234.62,4942.8 r11.81
  circle w3.94: c1184.62,4942.8 r11.81
  circle w3.94: c2478.32,4942.8 r11.81
  circle w3.94: c1334.62,4942.8 r11.81
  circle w3.94: c1384.62,4942.8 r11.81
  circle w3.94: c1434.62,4942.8 r11.81
  circle w3.94: c1484.62,4942.8 r11.81
  circle w3.94: c1934.62,4942.8 r11.81
  circle w3.94: c1984.62,4942.8 r11.81
  circle w3.94: c2034.62,4942.8 r11.81
  circle w3.94: c2084.62,4942.8 r11.81
  circle w3.94: c2528.32,4942.8 r11.81
  circle w3.94: c2578.32,4942.8 r11.81
  circle w3.94: c2628.32,4942.8 r11.81
  circle w3.94: c2678.32,4942.8 r11.81
  circle w3.94: c2728.32,4942.8 r11.81
  circle w3.94: c2778.32,4942.8 r11.81
  circle w3.94: c2828.32,4942.8 r11.81
  circle w3.94: c2878.32,4942.8 r11.81
  circle w3.94: c2928.32,4942.8 r11.81
  circle w3.94: c2978.32,4942.8 r11.81
  circle w3.94: c3028.32,4942.8 r11.81
  circle w3.94: c3078.32,4942.8 r11.81
  circle w3.94: c1134.62,4942.8 r11.81
  lines w3.94: 352.33,529.57 ccw(c450.76,529.57) 381.16,459.97 581.02,260.11 ccw(c650.62,329.71) 650.62,231.28 3912.32,231.28 ccw(c3912.32,329.71) 3981.91,260.11 4181.77,459.97 ccw(c4112.18,529.57) 4210.6,529.57 4210.6,2272.18 ccw(c4112.18,2272.18) 4181.77,2341.78 4122.45,2401.11 cw(c4192.05,2470.7) 4093.62,2470.7 4093.62,2473.97 cw(c4192.05,2473.97) 4122.45,2543.56 4181.77,2602.89 ccw(c4112.18,2672.48) 4210.6,2672.48 4210.6,4415.1 ccw(c4112.18,4415.1) 4181.77,4484.7 3981.91,4684.56 cw(c4051.51,4754.15) 3953.09,4754.15 3953.09,5031.38 609.85,5031.38 609.85,4754.15 cw(c511.43,4754.15) 581.02,4684.56 381.16,4484.7 ccw(c450.76,4415.1) 352.33,4415.1 352.33,2756 ccw(c450.76,2756) 381.16,2686.4 499.54,2568.02 cw(c429.95,2498.43) 528.37,2498.43 528.37,2446.24 cw(c429.95,2446.24) 499.54,2376.65 381.16,2258.27 ccw(c450.76,2188.67) 352.33,2188.67 352.33,529.57